# Altium PCB OldBoard.PcbDoc (part 2 of 3) (continued)
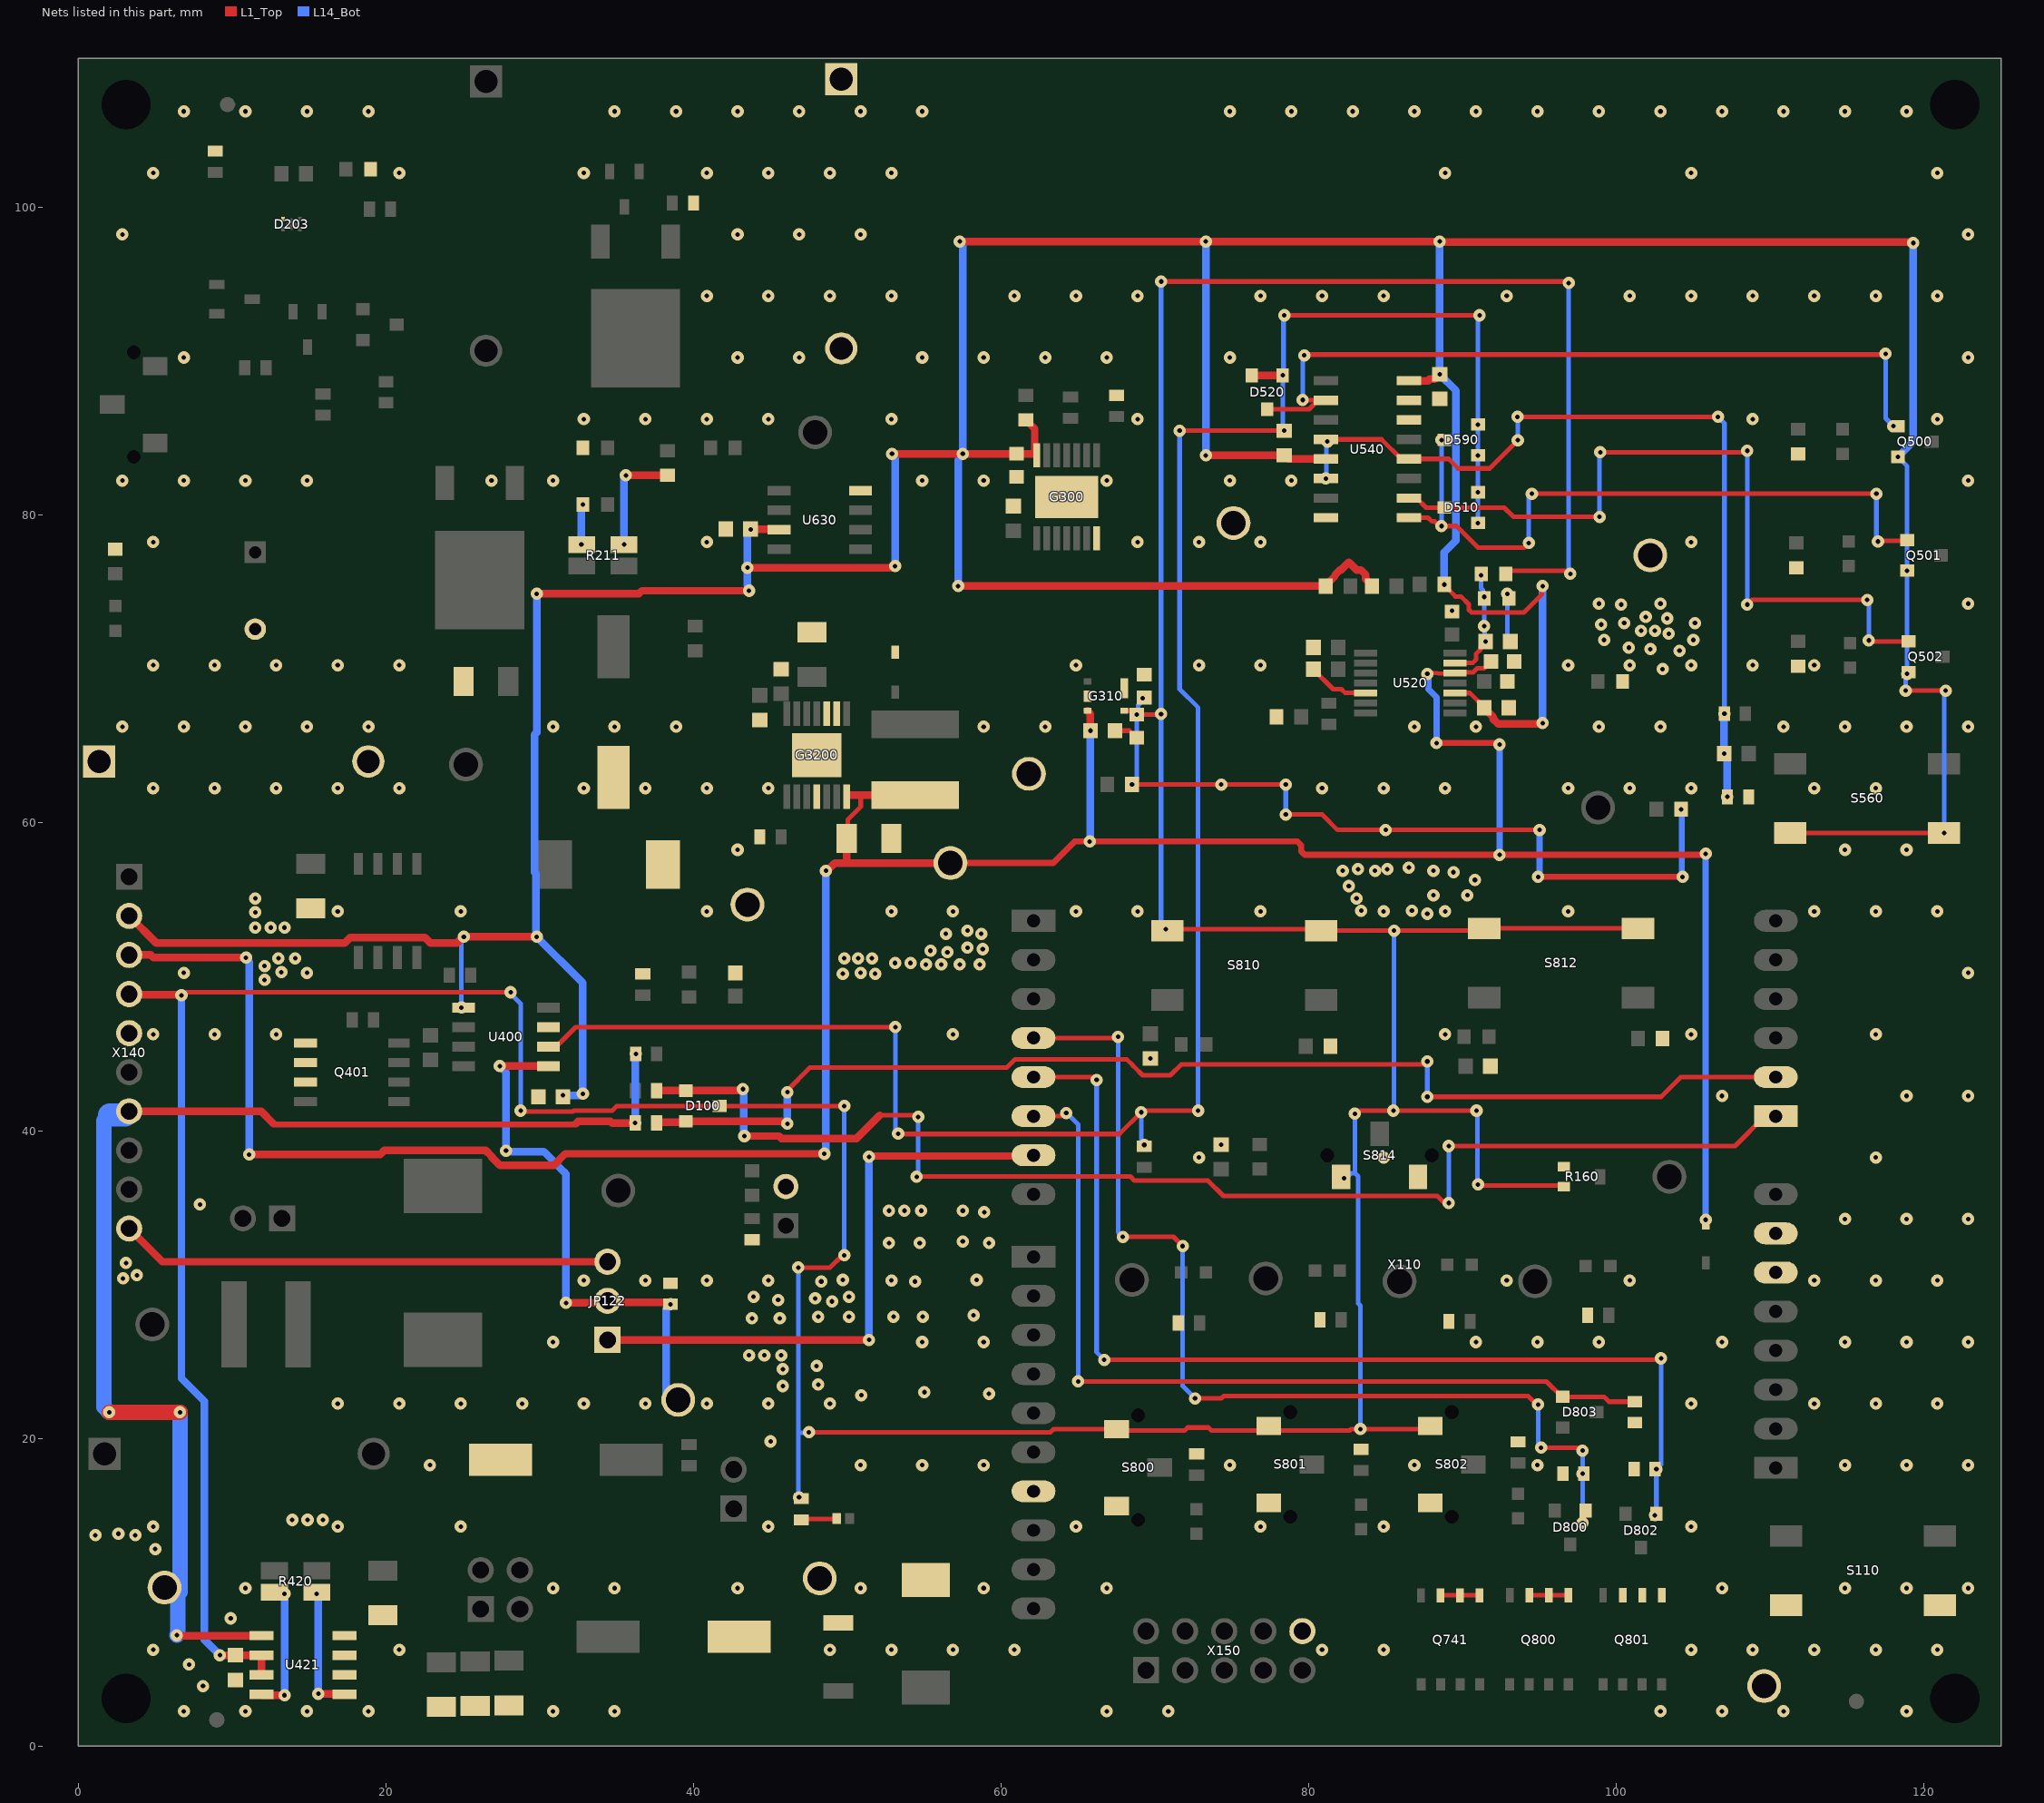
[diagram p2: the nets of this part, all layers, seen from the top]
## Part data (continued)
U520: library part 409035, "Quad Differential Comparator", Legacy PartNumber=IC02600564, Manufacturer="Texas Instruments", Supplier Part Number 1=2436009, Temperature max=0, Temperature Range=Military, Voltage DC (max)=na, Alternate View=Yes, Article Number=409035, Automotive Qualified=No, Combined Parameters=Res.:-;Fmax:-, ComponentLink1Description="Vendor WebSite", ComponentLink1URL=http://www.ti.com, ComponentLink2Description=Datasheet, ComponentLink2URL=http://webnetprod.muc.infineon.com/PCBPortal_Prod/WorkFlows/AltiumComponent/StandardDocumentation?Versionid=409036, ComponentStatus=Released, Legacy DeviceID=TI_LM339, Manufacturer Order Number=LM339PWR, PackageReference="TSSOP-14 (PW)", Part Type="Analog Parts", PLMStatus=Active, QuickPick="TSSOP-14 (PW)", Second Source allowed=Yes, Supplier 1=Farnell, Supplier 2=DigiKey, Supplier 3=Mouser, Supplier Part Number 2=296-6607-2-ND, Supplier Part Number 3=595-LM339PWR, Symbol Type="Quad Differential Comparator", Temperature min=0, Version Number=V01
U540: library part 648079, "Quad R/S latch with 3-state outputs", Manufacturer=Nexperia, Package Description="SOIC,1.27mm pitch;16 pin,3.90mm W X 9.90mm L X 1.75mm H body", Temperature max=85, Temperature min=-40, Temperature Range=Industrial, Voltage DC (max)=na, Alternate View=No, Article Number=648079, Automotive Qualified=No, Combined Parameters="- Digital;Vdc min/max:3V/15V;Iout:2.4mA;Fmax:-", ComponentLink1Description="Vendor WebSite", ComponentLink1URL=http://www.nexperia.com, ComponentLink2Description=Datasheet, ComponentLink2URL=http://webnetprod.muc.infineon.com/PCBPortal_Prod/WorkFlows/AltiumComponent/StandardDocumentation?Versionid=648080, ComponentStatus=Released, Legacy DeviceID=NEX_HEF4043BT,653, Manufacturer Order Number=HEF4043BT,653, Multiple Parts=No, PackageReference=SO-16, Part Type="Integrated Circuit", PLMStatus=Active, QuickPick=SO-16, RoHS Compliant=Y, Second Source allowed=Yes, Supplier 1=Farnell, Supplier 2=DigiKey, Supplier 3=Mouser, Supplier Part Number 2=1727-1799-1-ND, Supplier Part Number 3=771-HEF4043BT653, Symbol Type="Quad R/S latch with 3-state outputs", Type=Digital, Version Number=V00
U630: library part 699374, Manufacturer="Texas Instruments", Package Description="SOIC,1.27mm pitch;8 pin,3.895mm W X 4.905mm L X 1.75mm H body", Supplier Part Number 1=3117357, Temperature max=125, Temperature min=-40, Temperature Range=Automotive, Voltage DC (max)=na, Alternate View=Yes, Application="Power Electronics", Article Number=699374, Automotive Qualified=No, Combined Parameters=Res.:-;Fmax:10MHz, ComponentLink1Description="Vendor WebSite", ComponentLink1URL=http://www.ti.com, ComponentLink2Description=Datasheet, ComponentLink2URL=http://webnetprod.muc.infineon.com/PCBPortal_Prod/WorkFlows/AltiumComponent/StandardDocumentation?Versionid=699375, ComponentStatus=Released, Legacy DeviceID=TI_OPA197IDR, Manufacturer Order Number=OPA197IDR, Multiple Parts=Yes, PackageReference=SOIC, Part Type="Analog Parts", PLMStatus=Active, QuickPick="Amplifier / SOIC", RoHS Compliant=Y, Second Source allowed=Yes, Supplier 1=Farnell, Supplier 2=DigiKey, Supplier 3=Mouser, Supplier Part Number 2=296-43866-1-ND, Supplier Part Number 3=595-OPA197IDR, Symbol Type="High-Precision, Low-Noise, Rail-to-Rail Output, JFET Op Amp", Type=Amplifier, Version Number=V00
Vin_unf X102: library part 377341, "Banana Socket, Red, 17.5mm Pitch", Legacy PartNumber=CON01500041, Manufacturer="Hirschmann Test & Measurement", Manufacturer Component Status=Active, Package Description="Banana Jack, 2 pins, 17.5mm Pitch, 21mm L X 7.5mm W X 10.5mm H body", Supplier Part Number 1=497332, Temperature max=85, Temperature min=-25, Temperature Range=Military, Voltage DC (max)=na, Article Number=377341, Combined Parameters="Board-to-Cable Socket (female);2x1;Mounting:THT;Orient:90° (right angle);Shielded:No", ComponentLink1Description="Vendor WebSite", ComponentLink1URL=http://www.sks-kontakt.de/, ComponentLink2Description=Datasheet, ComponentLink2URL=http://webnetprod.muc.infineon.com/PCBPortal_Prod/WorkFlows/AltiumComponent/StandardDocumentation?Versionid=377342, ComponentStatus=Released, Legacy DeviceID="HTM_973 582- 101", Manufacturer Order Number="973 582-101", Part Type=Connector, PLMStatus=Active, QuickPick="90° (right angle) / Board-to-Cable", RoHS Compliant=N, Second Source allowed=Yes, Style=Banana, Supplier 1=Farnell, Supplier 2=DigiKey, Supplier 3=Mouser, Supplier Part Number 3=845-973582101, Symbol Type="Banana Socket 2 Pins", Type=Board-to-Cable, Version Number=V01
X101 X103: library part 377401, "Banana Socket, black, 17.5mm Pitch", Legacy PartNumber=CON01500045, Manufacturer="Hirschmann Test & Measurement", Manufacturer Component Status=Active, Package Description="Banana Jack, 2 pins, 17.5mm Pitch, 21mm L X 7.5mm W X 10.5mm H body", Supplier Part Number 1=497344, Temperature max=85, Temperature min=-25, Temperature Range=Military, Voltage DC (max)=na, Article Number=377401, Automotive Qualified=No, Combined Parameters="Board-to-Cable Socket (female);-x-;Mounting:THT;Orient:90° (right angle);Shielded:No", ComponentLink1Description="Vendor WebSite", ComponentLink1URL=http://www.sks-kontakt.de/, ComponentLink2Description=Datasheet, ComponentLink2URL=http://webnetprod.muc.infineon.com/PCBPortal_Prod/WorkFlows/AltiumComponent/StandardDocumentation?Versionid=377402, ComponentStatus=Released, Legacy DeviceID="HTM_973 582- 100", Manufacturer Order Number="973 582-100", Part Type=Connector, PLMStatus=Active, QuickPick="90° (right angle) / Board-to-Cable", RoHS Compliant=N, Second Source allowed=Yes, Style=Banana, Supplier 1=Farnell, Supplier 2=DigiKey, Supplier 3=Mouser, Supplier Part Number 3=845-973582100, Symbol Type="Banana Socket 2 Pins", Type=Board-to-Cable, Version Number=V01
X105: library part 433601, Legacy PartNumber=CON01500959, Manufacturer="Infineon Technologies", Package Description="Solder Bridge 2 Pins, 0.7X1.299mm Pad, 1.6mm L X 1.2mm W body", Temperature max=0, Temperature Range=Military, Voltage DC (max)=na, Alternate View=Yes, Article Number=433601, Automotive Qualified=No, Combined Parameters="- None (onboard);2x1;Mounting:SMT;Orient:None (onboard);Shielded:No", ComponentLink1Description="Vendor WebSite", ComponentLink1URL=https://www.infineon.com/, ComponentLink2Description=Datasheet, ComponentStatus=Released, Legacy DeviceID="IFX_Solder Jumper 2 Pins", Manufacturer Order Number="Solder Jumper 2 Pins", Multiple Parts=No, Part Type=Connector, PLMStatus=Active, QuickPick="None (onboard)", RoHS Compliant=N, Second Source allowed=Yes, Style="Not Applicable", Supplier 1=Farnell, Supplier 2=DigiKey, Supplier 3=Mouser, Symbol Type="Solder Jumper 2 Pins", Temperature min=0, Version Number=V01
X110: library part 644888, "Arduino Uno is a microcontroller board based on the ATmega328P", Manufacturer="Infineon Technologies", Package Description="Arduino-Uno, THT, 32 Pin, 68.58 mm L X 53.34 mm W X 8.64 mm H body", Temperature max=85, Temperature min=-40, Temperature Range=Industrial, Voltage DC (max)=na, Alternate View=Yes, Article Number=644888, Automotive Qualified=No, Combined Parameters="Board-to-Board Socket (female);-x-;Mounting:THT;Orient:0° (vertical);Shielded:-", ComponentLink1Description="Vendor WebSite", ComponentLink1URL=https://www.infineon.com/, ComponentLink2Description=Datasheet, ComponentStatus=Released, Legacy DeviceID=Infineon_Arduino-Uno, Manufacturer Order Number=Arduino-Uno, Multiple Parts=Yes, PackageReference=THT, Part Type=Connector, PLMStatus=Active, QuickPick="0° (vertical) / Board-to-Board", RoHS Compliant=N, Second Source allowed=Yes, Supplier 1=Farnell, Supplier 2=DigiKey, Supplier 3=Mouser, Symbol Type="Arduino Uno is a microcontroller board based on the ATmega328P", Type=Board-to-Board, Version Number=V01
X140: library part 382944, "Through hole .025 SQ Post Header, 2.54mm pitch, 10 pin, vertical, single row", Legacy PartNumber=CON01500578, Manufacturer=Samtec, Package Description="Header,vertical,2.54mm pitch;0.64mm lead width,10 pins,1 row,10 pins per row,25.40mm L X 2.54mm W X 8.636mm H body", Supplier Part Number 1=2035612, Temperature max=125, Temperature min=-55, Temperature Range=Military, Voltage DC (max)=na, Article Number=382944, Automotive Qualified=No, Combined Parameters="Board-to-Board Header (male);10x1;Mounting:THT;Orient:0° (vertical);Shielded:No", ComponentLink1Description="Vendor WebSite", ComponentLink1URL=http://www.samtec.com/, ComponentLink2Description=Datasheet, ComponentLink2URL=http://webnetprod.muc.infineon.com/PCBPortal_Prod/WorkFlows/AltiumComponent/StandardDocumentation?Versionid=382945, ComponentStatus=Released, Legacy DeviceID=SAM_TSW-110-07-L-S, Manufacturer Order Number=TSW-110-07-L-S, Part Type=Connector, PLMStatus=Active, QuickPick="0° (vertical) / Board-to-Board", RoHS Compliant=Y, Second Source allowed=Yes, Style=Strip, Supplier 1=Farnell, Supplier 2=DigiKey, Supplier 3=Mouser, Supplier Part Number 2=SAM1031-10-ND, Symbol Type="Header 10 pins", Type=Board-to-Board, Version Number=V01
X150: library part 638630, "WR-BHD Male Box Header, 2.54mm pitch, 10 pin, Vertical, Double row", Manufacturer="Wurth Elektronik", Package Description="Connector, THT, 2.54mm Pitch; 10 Pins, 9.10 mm L X 20.36 mm W X 9.25 mm H body", Supplier Part Number 1=1642019, Temperature max=105, Temperature min=-40, Temperature Range=Industrial, Voltage DC (max)=na, Article Number=638630, Automotive Qualified=No, Combined Parameters="Board-to-Board/Cable Header (male);5x2;Mounting:THT;Orient:0° (vertical);Shielded:No", ComponentLink1Description="Vendor WebSite", ComponentLink1URL=http://www.we-online.com, ComponentLink2Description=Datasheet, ComponentLink2URL=http://webnetprod.muc.infineon.com/PCBPortal_Prod/WorkFlows/AltiumComponent/StandardDocumentation?Versionid=638631, ComponentStatus=Released, Legacy DeviceID=WE_61201021621, Manufacturer Order Number=61201021621, PackageReference=THT, Part Type=Connector, PLMStatus=Active, QuickPick="0° (vertical) / Board-to-Board/Cable", RoHS Compliant=Y, Second Source allowed=Yes, Style=Strip, Supplier 1=Farnell, Supplier 2=DigiKey, Supplier 3=Mouser, Supplier Part Number 2=732-2094-ND, Supplier Part Number 3=710-61201021621, Type=Board-to-Board/Cable, Version Number=V01
X400: library part 614137, "Through Hole .025'' SQ Post Socket, 2.54mm pitch, 2 Pins", Manufacturer=Samtec, Package Description="Header, THT, 2.54mm pitch, 2 pin, 5.59mm L X 2.41mm W X 8.64mm H body", Supplier Part Number 1=200-SSW10201GS, Temperature max=125, Temperature min=-55, Temperature Range=Military, Voltage DC (max)=na, Application="Standard Interface", Article Number=614137, Automotive Qualified=No, Combined Parameters="Board-to-Board/Cable Socket (female);2x1;Mounting:THT;Orient:0° (vertical);Shielded:Yes", ComponentLink1Description="Vendor WebSite", ComponentLink1URL=http://www.samtec.com/, ComponentLink2Description=Datasheet, ComponentLink2URL=http://webnetprod.muc.infineon.com/PCBPortal_Prod/WorkFlows/AltiumComponent/StandardDocumentation?Versionid=614138, ComponentStatus=Released, Legacy DeviceID=SAM_SSW-102-01-G-S, Manufacturer Order Number=SSW-102-01-G-S, PackageReference=THT, Part Type=Connector, PLMStatus=Active, QuickPick="0° (vertical) / Board-to-Board/Cable", RoHS Compliant=Y, Second Source allowed=Yes, Style=Strip, Supplier 1=Farnell, Supplier 2=DigiKey, Supplier 3=Mouser, Supplier Part Number 2=SAM1209-02-ND, Supplier Part Number 3=1668331, Type=Board-to-Board/Cable, Version Number=V01

## Via types
v1: diameter 0.8, hole 0.3, L1_Top to L14_Bot, tented both sides, 819 vias

## Nets (pads, with @x,y where several pads share a name; then routed paths per layer and width w, separated by ;. In a path a pad name is that pad's centre, name@x,y a point inside that pad or via, vN(x,y) a via of type N, cw(c..) or ccw(c..) an arc to the next point about the centre after c; other vN are vias at no path point)
3V3: C311.2 C312.2 C401.2 D100.3 G310.4 R160.3 R170.2 R500.2 R504.2 R532.2 S800.1 S801.1 S802.1 S810.3 S810.4 S812.3 S812.4 S814.1 U421.6 U421.7 X140.4 | length 400.7
  L1_Top w0.3: v1(6.7,48.8) 6.835,48.8 7.035,49 v1(28.1,49) ; v1(28.75,41.3) 28.8,41.25 32.161,41.25 32.211,41.3 34.7,41.3 35,41.6 D100.3@41.7,41.6 v1(49.8,41.6) ; v1(46.8,31.1) 48.865,31.1 49.665,31.9 v1(49.8,31.9) ; v1(47.5,20.4) 63.213,20.4 63.413,20.6 S800.1@67.5,20.6 67.6,20.5 71.919,20.5 72.119,20.7 73.481,20.7 73.681,20.5 82.65,20.5 82.75,20.6 v1(83.351,20.6) S802.1@87.9,20.6 ; G310.4@68,67.3 68.55,67.3 v1(68.8,67.05) 70.35,67.05 v1(70.387,67.087) ; v1(68.5,62.5) v1(74.3,62.5) v1(78.5,62.5) ; v1(69.2,68.1) 69.25,68.1 C312.2@69.3,68.15 ; v1(70.4,95.2) 96.8,95.2 v1(96.9,95.1) ; v1(70.7,53.1) 80.7,53.1 S810.3@80.8,53 v1(85.539,53) 91.25,53 S812.4@91.4,53.15 S812.3@101.4,53.15 ; v1(78.5,60.55) 80.868,60.55 81.868,59.55 v1(85,59.55) v1(95,59.55) ; S814.1@82.1,37 82.2,37 v1(82.3,36.9) ; v1(82.992,41.1) 82.992,41.124 83.168,41.3 v1(85.5,41.3) v1(90.9,41.3) ; v1(91,36.5) 91.07,36.43 96.517,36.43 R160.3@96.588,36.359 ; R504.2@92.8,76.2 93,76.4 96.665,76.4 96.865,76.2 v1(97,76.2)
  L1_Top w0.4: v1(94.9,56.5) v1(104.3,56.5)
  L1_Top w0.5: X140.4@3.3,48.88 3.34,48.84 6.66,48.84 v1(6.7,48.8) ; v1(9.2,5.9) C401.2@10.2,5.9 U421.6@11.9,5.9 U421.7@11.9,4.63
  L14_Bot w0.3: v1(28.1,49) 28.1,48.907 28.75,48.257 v1(28.75,41.3) ; v1(46.8,31.1) 46.8,20.358 ; v1(46.856,16.165) 46.8,16.221 46.8,20.358 ; v1(47.5,20.4) 47.458,20.358 46.8,20.358 ; v1(49.8,31.9) v1(49.8,41.6) ; v1(68.5,62.5) 68.8,62.8 v1(68.8,67.05) 68.896,67.146 68.896,67.66 69.2,67.965 v1(69.2,68.1) ; v1(70.4,95.2) 70.387,95.187 v1(70.387,67.087) 70.387,53.413 v1(70.7,53.1) ; v1(78.5,60.55) v1(78.5,62.5) ; v1(82.3,36.9) 82.435,36.9 82.778,37.243 82.992,37.243 ; v1(82.992,41.1) 82.992,37.243 ; v1(83.351,20.6) 83.351,28.627 83.2,28.778 83.2,36.9 83.2,37.035 82.992,37.243 ; v1(85.5,41.3) 85.539,41.339 v1(85.539,53) ; v1(90.9,41.3) 90.95,41.25 90.95,36.55 v1(91,36.5) ; v1(96.9,95.1) 96.9,76.3 v1(97,76.2)
  L14_Bot w0.4: v1(94.9,56.5) 95,56.6 v1(95,59.55) v1@94.9,59.45 ; v1(104.2,60.889) 104.25,60.839 104.25,56.55 v1(104.3,56.5)
  L14_Bot w0.5: v1(6.7,48.8) 6.7,23.9 8.2,22.4 8.2,6.9 v1(9.2,5.9)
5V: C310.2 C324.2 C522.2 D112.2 G310.3 G3200.7 L320.2 TP320.1 U520.5 X140.3 | length 197.1
  L1_Top w0.3: C324.2@49.95,59 50.024,59.074 50.024,60.224 50.866,61.066 50.866,61.8 ; v1@87.75,69.75 U520.5@89,69.7 ; U520.5@89.5,69.75 89.539,69.789 90.685,69.789 90.946,70.05 91.4,70.05 C522.2@91.85,70.5
  L1_Top w0.4: TP320.1@56.7,57.4 63.378,57.4 64.778,58.8 v1(65.756,58.8) 79.266,58.8 79.5,58.566 79.5,58.164 79.734,57.93 v1(92.4,57.93) 105.73,57.93 v1(105.8,58) ; v1(88.3,65.2) 92.3,65.2 v1(92.4,65.1)
  L1_Top w0.5: X140.3@3.3,51.42 4.709,51.42 4.879,51.25 v1(10.9,51.25) ; v1(11.1,38.45) 19.619,38.45 19.894,38.725 26.478,38.725 26.85,38.353 26.85,38.306 27.406,37.75 30.906,37.75 31.656,38.5 v1(48.5,38.5) ; v1(48.6,56.895) 48.681,56.895 49.186,57.4 49.935,57.4 ; C324.2@49.95,59 49.95,57.415 49.935,57.4 ; G3200.7@50.095,61.8 50.866,61.8 L320.2@54.4,61.8 ; TP320.1@56.7,57.4 49.935,57.4 ; G310.3@65.6,67.3 65.8,67.1 v1(65.8,66)
  L14_Bot w0.4: v1(87.7,69.7) 87.773,69.627 87.773,68.7 88.3,68.173 v1(88.3,65.2) ; v1(92.4,57.93) v1@92.4,64.892 ; v1(105.8,34.207) v1(105.8,58)
  L14_Bot w0.5: v1(10.9,51.25) 10.9,51.169 11.1,50.969 v1(11.1,38.45) ; v1(48.5,38.5) 48.557,38.557 48.557,38.77 48.6,38.812 v1(48.6,56.895) ; v1(65.756,58.8) 65.778,58.822 65.778,65.978 v1(65.8,66)
12V: C301.2 C400.2 C520.1 C540.2 C630.2 G300.14 Q500.2 Q501.2 Q502.2 R301.1 R501.2 R503.2 R509.2 R527.2 S560.3 S560.4 U400.5 U520.3 U540.5 U540.16 U630.7 X140.2 | length 351.6
  L1_Top w0.3: v1(24.905,48.005) U400.5@25.035,48.005 ; v1(88.8,75.5) 88.8,75.45 89.524,74.726 89.886,74.726 90.4,74.211 90.4,73.864 90.589,73.675 93.975,73.675 95.149,74.849 95.149,75.349 v1(95.2,75.4) ; U520.3@89.5,68.45 90.45,68.45 90.475,68.425 90.5,68.425 C520.1@91.4,67.525 ; S560.3@111.3,59.35 v1(121.3,59.35) ; v1(118.8,68.6) v1(121.4,68.6)
  L1_Top w0.5: X140.2@3.3,53.96 5.06,52.2 17.312,52.2 17.667,52.555 22.533,52.555 22.888,52.2 24.615,52.2 25.015,52.6 v1(29.8,52.6) ; v1(29.8,74.9) 36.437,74.9 36.637,75.1 v1(43.6,75.1) ; v1(43.5,76.6) 53,76.6 v1(53.1,76.7) ; v1(43.718,79.082) 45.532,79.082 U630.7@45.55,79.065 ; v1(52.9,84) v1(57.5,84) C301.2@61,84 62.175,84 62.175,85.625 61.825,85.975 61.825,86.025 61.65,86.2 R301.1@61.6,86.2 ; v1(57.2,75.4) R527.2@81.1,75.4 81.1,75.45 81.7,76.05 81.7,76.128 82.022,76.45 82.1,76.45 82.6,76.95 83.1,76.45 83.378,76.45 83.7,76.128 83.7,75.85 84.1,75.45 R501.2@84.1,75.4 ; v1(57.3,97.8) v1(73.3,97.8) v1(88.5,97.8) 88.546,97.754 119.254,97.754 v1(119.3,97.708) ; v1(73.3,83.9) R503.2@78.4,83.9 ; R503.2@78.685,83.665 U540.5@81.1,83.665 ; U540.16@86.5,88.745 87.75,88.745 87.855,88.85 88.175,88.85 v1(88.5,89.175) ; C520.1@91.4,67.525 C520.1@91.4,67.5 91.4,67.475 91.975,66.9 91.975,66.772 92.297,66.45 95.15,66.45 v1(95.2,66.5)
  L14_Bot w0.3: v1(24.905,48.005) 24.905,52.447 v1(25.058,52.6) ; v1(118.3,83.8) 118.3,83.798 118.9,83.198 v1(118.9,76.4) v1(118.9,69.7) 118.8,69.6 v1(118.8,68.6) ; v1(121.3,59.35) v1@121.3,68.5
  L14_Bot w0.5: v1(29.8,74.9) 29.8,65.888 29.65,65.738 29.65,56.806 29.75,56.706 29.75,52.65 v1(29.8,52.6) 32.8,49.6 v1(32.8,42.4) 32.719,42.4 32.619,42.3 v1(31.5,42.3) ; v1(43.6,75.1) 43.543,75.157 43.543,75.407 43.5,75.45 v1(43.5,76.6) 43.5,78.865 v1(43.718,79.082) ; v1(52.9,84) 53.1,83.8 v1(53.1,76.7) ; v1(57.2,75.4) 57.2,83.619 57.5,83.919 v1(57.5,84) 57.5,97.6 v1(57.3,97.8) ; v1(73.3,83.9) v1(73.3,97.8) ; v1(88.5,97.8) v1(88.5,89.175) 89.57,88.105 89.57,78.37 88.8,77.6 v1(88.8,75.5) ; v1(95.2,66.5) v1(95.2,75.4) ; v1(118.3,83.8) 119.3,84.8 v1(119.3,97.708)
\Cntrl1: D800.1 R100.1 X110.4D | length 66.9
  L1_Top w0.3: X110.4D@62.1,46.024 67.524,46.024 v1(67.6,46.1) ; v1(67.9,33.1) 71.2,33.1 v1(71.8,32.5) ; v1(72.6,22.6) 74.319,22.6 74.469,22.75 94.248,22.75 94.798,22.2 v1(94.9,22.2) ; v1(95.1,19.4) 97.6,19.4 v1(97.8,19.2) ; v1(97.8,14.5) 97.896,14.596 97.896,15.196 D800.1@98,15.3
  L14_Bot w0.3: v1(67.6,46.1) 67.6,33.4 v1(67.9,33.1) ; v1(71.8,32.5) 71.8,23.4 v1(72.6,22.6) ; v1(94.9,22.2) 94.9,19.6 v1(95.1,19.4) ; v1(97.8,14.5) v1(97.8,17.7) v1(97.8,19.2)
\Cntrl2: D802.1 R101.1 X110.5D | length 69.2
  L1_Top w0.3: X110.5D@62.1,43.484 66.016,43.484 v1(66.2,43.3) ; v1(66.7,25.1) 102.8,25.1 v1(102.9,25.2)
  L14_Bot w0.3: v1(66.2,43.3) 66.2,25.6 v1(66.7,25.1) ; v1(102.5,15) 102.595,15.095 v1(102.595,18) 102.9,18.305 v1(102.9,25.2)
\Cntrl3: D803.1 R102.1 X110.6D | length 56.7
  L1_Top w0.3: X110.6D@62.1,40.944 63.886,40.944 64.092,41.15 v1(64.227,41.15) ; v1(65,23.7) 95.45,23.7 96.45,22.7 D803.1@96.5,22.7 99.186,22.7 99.506,22.38 R102.1@101.2,22.38
  L14_Bot w0.3: v1(64.227,41.15) 64.247,41.15 65,40.397 v1(65,23.7)
\Flag_Overcurr: D520.3 Q500.1 U540.2 | length 50.7
  L1_Top w0.3: D520.3@77.3,86.9 80.025,86.9 U540.2@80.6,87.475 ; v1(79.6,87.5) 79.625,87.475 U540.2@80.6,87.475 ; v1(79.7,90.4) 79.75,90.45 117.45,90.45 v1(117.5,90.5) ; U540.2@81.1,87.475 U540.2@80.6,87.475
  L14_Bot w0.3: v1(79.6,87.5) 79.6,90.3 v1(79.7,90.4) ; v1(117.5,90.5) 117.5,86.3 v1(118,85.8)
\Flag_Overtemp_Ext: D510.3 Q502.1 U540.10 | length 50
  L1_Top w0.3: U540.10@86.5,81.125 87,81.125 87.625,80.5 D510.3@88.8,80.5 92.698,80.5 93.298,79.9 v1(98.9,79.9) ; v1(98.944,84.104) 108.404,84.104 v1(108.5,84.2) ; v1(108.5,74.2) 108.8,74.5 v1(116.3,74.5) ; v1(116.4,71.872) 116.4,71.8 Q502.1@119,71.8
  L14_Bot w0.3: v1(98.9,79.9) 98.9,84.06 v1(98.944,84.104) ; v1(108.5,74.2) v1(108.5,84.2) ; v1(116.3,74.5) 116.4,74.4 v1(116.4,71.872)
\Flag_Undervolt: D590.3 Q501.1 U540.9 | length 45.2
  L1_Top w0.3: U540.9@86.5,79.855 87.745,79.855 88,79.6 88.194,79.6 88.494,79.3 v1(88.62,79.3) ; v1(88.62,84.9) D590.3@88.8,84.9 ; v1@88.708,79.3 89.6,79.3 91,77.9 94,77.9 v1(94.3,78.2) ; v1(94.5,81.4) v1(116.9,81.4) ; v1(117,78.3) 117.05,78.35 118.85,78.35 Q501.1@118.9,78.4
  L14_Bot w0.3: v1(88.62,79.3) v1(88.62,84.9) ; v1(94.3,78.2) 94.3,81.2 v1(94.5,81.4) ; v1(116.9,81.4) 116.9,78.4 v1(117,78.3)
\Shutdown: D510.1 D510.2 D520.1 D520.2 D590.1 D590.2 R112.1 R503.1 U400.2 | length 139.6
  L1_Top w0.3: U400.2@31,45.4 32.335,46.735 v1(53.111,46.735) v1@53.265,46.735 ; v1(53.3,39.8) 53.317,39.783 67.683,39.783 v1(69.1,41.2) 69.2,41.3 v1(72.8,41.3) ; v1(71.6,85.5) v1(78.4,85.5) ; v1(78.4,93) v1(91.1,93) ; v1(91,81.5) D510.2@91.104,81.396
  L1_Top w0.5: D520.2@76.3,89.1 v1(78.3,89.1)
  L14_Bot w0.3: v1(53.111,46.735) 53.111,39.989 v1(53.3,39.8) ; v1(69.1,41.2) 69.1,39.275 v1(69.3,39.075) ; v1(71.6,85.5) 71.6,68.7 72.8,67.5 v1(72.8,41.3) ; v1(78.4,85.5) 78.3,85.6 v1(78.3,89.1) 78.35,89.15 78.35,92.95 v1(78.4,93) ; v1(91,79.5) v1(91,81.5) v1(91,83.9) v1(91,85.9) 91,92.9 v1(91.1,93)
AREF: R170.1 X105.2 | length 2.3
  L1_Top w0.3: R170.1@47,14.7 47.05,14.75 49.25,14.75 X105.2@49.3,14.8
Buck_Cntrl: JP122.2 R122.1 TP400.1 U400.1 | length 35.7
  L1_Top w0.5: v1(27.4,44.2) 27.403,44.198 30.563,44.198 U400.1@30.565,44.195 ; v1(31.7,28.8) 34.26,28.8 JP122.2@34.4,28.94 34.51,28.83 38.39,28.83 v1(38.5,28.72) ; TP400.1@38.2,22.6 38.9,22.6 TP400.1@39,22.5
  L14_Bot w0.5: v1(27.4,44.2) 27.8,43.8 v1(27.8,38.7) 27.857,38.643 30.257,38.643 31.602,37.298 ; v1(31.7,28.8) 31.7,37.2 ; TP400.1@38.2,22.6 38.2,28.42 v1(38.5,28.72)
Buck_Cntrl_Arduino: JP122.1 X110.7D | length 39.6
  L1_Top w0.5: JP122.1@34.4,26.4 44.3,26.4 v1(51.4,26.4) ; v1(51.4,38.3) 51.452,38.352 62.048,38.352 X110.7D@62.1,38.404
  L14_Bot w0.5: v1(51.4,26.4) v1(51.4,38.3)
Buck_Cntrl_Ext: JP122.3 X140.10 | length 32
  L1_Top w0.5: X140.10@3.3,33.64 5.46,31.48 JP122.3@34.4,31.48
Curr_In+: R211.4 R631.1 | length 2.7
  L1_Top w0.5: v1(32.7,78.1) R211.4@32.725,78.1
  L14_Bot w0.5: v1(32.7,78.1) 32.7,80.6 v1(32.8,80.7)
Curr_In-: R211.3 R633.1 | length 7.3
  L1_Top w0.5: R211.3@35.475,78.1 v1(35.479,78.104) ; v1(35.6,82.6) R633.1@38.3,82.6
  L14_Bot w0.5: v1(35.479,78.104) 35.479,82.479 v1(35.6,82.6)
Curr_Thresh: C505.2 R504.1 R505.2 U520.6 | length 7.5
  L1_Top w0.3: U520.6@89.5,70.4 90.65,70.4 90.862,70.612 90.862,70.987 91.175,71.3 91.175,71.475 v1(91.5,71.8) ; v1(91.2,76.1) R504.1@91.2,76.2
  L14_Bot w0.3: v1(91.2,76.1) 91.2,75.25 91.304,75.146 91.304,74.796 v1(91.4,74.7) v1(91.4,72.8) 91.428,72.772 91.428,71.778 91.45,71.8 v1(91.5,71.8)
Fault_Reset: C500.2 R507.1 R508.1 U540.4 U540.6 U540.12 | length 56.2
  L1_Top w0.3: U540.4@81.1,84.935 84.73,84.935 86,83.665 U540.12@86.5,83.665 89.086,83.665 89.701,83.05 91.75,83.05 v1(93.584,84.884) ; v1(93.565,86.4) v1(106.6,86.4)
  L1_Top w0.5: U540.4@81.1,84.935 81.2,84.835 v1(81.2,84.8) ; v1(107.198,61.7) R508.1@107.21,61.7
  L14_Bot w0.3: v1(81.1,82.395) 81.15,82.445 81.15,84.75 v1(81.2,84.8) ; v1(93.565,86.4) 93.584,86.381 v1(93.584,84.884) ; v1(106.6,86.4) 107.02,85.98 v1(107.02,67.1)
  L14_Bot w0.5: v1(107.02,67.1) 107,67.08 v1(107,64.5) 107.198,64.302 v1(107.198,61.7)
GND: C210.2 C212.2 C213.1 C220.2 C221.1 C300.1 C301.1 C310.1 C311.1 C312.1 C320.1 C321.1 C324.1 C400.1 C401.1 C404.1 C505.1 C506.1 C520.2 C521.1 C522.1 C530.1 C533.1 C540.1 C630.1 C700.1 C701.2 C710.1 C711.1 C712.1 C715.2 C811.1 C813.1 C814.1 D203.1 D211.2 D320.2 D730.2 D731.2 G300.7 G300.15 G310.2 G310.5 G3200.4 G3200.9 G3200.10 G3200.15 Q401.1 Q401.2 Q401.3 Q741.1 Q741.2 Q741.3 Q800.1 Q800.2 Q800.3 Q801.1 Q801.2 Q801.3 R100.2 R101.2 R102.2 R122.2 R160.1 R200.1 R209.1 R210.2 R212.2 R221.2 R303.1 R320.2 R502.1 R505.1 R508.2 R511.1 R551.2 R552.1 R553.1 R632.2 R722.2 R800.2 R801.2 R802.2 R803.2 R804.2 R805.2 R806.2 R810.2 R812.2 S110.1 S110.2 S800.3 S801.3 S802.3 S814.3 TP100.1 TP101.1 TP102.1 TP103.1 TP104.1 TP105.1 U400.3 U421.2 U421.3 U421.4 U520.12 U540.8 U540.14 U540.15 U630.4 X101.1 X101.2 X103.1 X103.2 X110.6A X110.7A X110.7C X140.5 X150.10 X400.2 | length 13.9
  L1_Top w0.3: C310.1@67.4,66 68.325,66 68.775,65.55 C311.1@68.8,65.55 ; C530.1@80.3,70 80.3,69.975 81.575,68.7 82.112,68.7 82.337,68.475 83.675,68.475 U520.12@83.7,68.45 ; Q741.3@88.565,9.794 Q741.2@89.835,9.794 Q741.1@91.105,9.794 ; R505.1@92.9,74.6 R505.1@93,74.6 ; Q800.3@94.33,10.013 Q800.3@94.33,9.8 Q800.2@95.6,9.8 Q800.1@96.87,9.8
  L14_Bot w0.3: v1@92.9,74.6 92.9,72 93.1,71.8
  other v1: 6.86,2.26 10.86,2.26 14.86,2.26 18.86,2.26 30.86,2.26 34.86,2.26 66.86,2.26 70.86,2.26 102.86,2.26 106.86,2.26 110.86,2.26 118.86,2.26 8.1,3.9 7.2,5.3 4.86,6.26 20.86,6.26 48.86,6.26 52.86,6.26 56.86,6.26 60.86,6.26 80.86,6.26 84.86,6.26 104.86,6.26 108.86,6.26 112.86,6.26 116.86,6.26 120.86,6.26 9.9,8.3 10.86,10.26 30.86,10.26 34.86,10.26 42.86,10.26 50.86,10.26 58.86,10.26 66.86,10.26 106.86,10.26 114.86,10.26 118.86,10.26 122.86,10.26 5,12.8 1.1,13.7 3.7,13.7 2.6,13.8 4.86,14.26 16.86,14.26 24.86,14.26 44.86,14.26 64.86,14.26 76.86,14.26 84.86,14.26 104.86,14.26 13.9,14.7 14.9,14.7 15.9,14.7 22.86,18.26 50.86,18.26 54.86,18.26 58.86,18.26 74.86,18.26 86.86,18.26 94.86,18.26 114.86,18.26 118.86,18.26 122.86,18.26 45,19.8 16.86,22.26 20.86,22.26 24.86,22.26 28.86,22.26 32.86,22.26 36.86,22.26 40.86,22.26 44.86,22.26 48.86,22.26 104.86,22.26 112.86,22.26 116.86,22.26 120.86,22.26 50.9,22.8 59.2,22.9 55,23 45.8,23.4 48.1,23.5 45.8,24.5 48,24.7 43.6,25.4 44.6,25.4 45.7,25.4 30.86,26.26 54.86,26.26 58.86,26.26 90.86,26.26 94.86,26.26 98.86,26.26 106.86,26.26 114.86,26.26 118.86,26.26 122.86,26.26 43.8,27.8 45.6,27.8 48.1,27.9 50.1,27.9 53,27.9 54.9,27.9 58.2,28 49,28.9 45.5,29 47.9,29.1 43.9,29.2 50.1,29.2 48.3,30.2 54.4,30.2 32.86,30.26 36.86,30.26 40.86,30.26 44.86,30.26 52.86,30.26 92.86,30.26 100.86,30.26 112.86,30.26 116.86,30.26 120.86,30.26 49.7,30.3 58.4,30.3 2.9,30.4 3.8,30.6 3.1,31.4 52.7,32.7 54.7,32.7 59.2,32.7 57.5,32.8 114.86,34.26 118.86,34.26 122.86,34.26 58.9,34.7 52.7,34.8 53.7,34.8 54.8,34.8 57.5,34.8 7.9,35.2 72.86,38.26 84.86,38.26 116.86,38.26 74.3,39.1 106.86,42.26 118.86,42.26 122.86,42.26 69.7,44.7 4.86,46.26 8.86,46.26 12.86,46.26 56.86,46.26 88.86,46.26 104.86,46.26 116.86,46.26 12.1,49.8 49.7,50.2 51.8,50.2 6.86,50.26 14.86,50.26 50.86,50.26 122.86,50.26 13.2,50.3 12.1,50.7 55.1,50.8 56.1,50.8 57.3,50.8 58.6,50.8 53.1,50.9 54.1,50.9 13,51.2 14.1,51.2 49.8,51.2 50.7,51.2 51.6,51.2 56.5,51.6 55.4,51.7 58.8,51.8 57.8,51.9 56.4,52.8 58.7,52.8 57.8,53 11.5,53.2 12.5,53.2 13.4,53.2 87.7,54.1 11.5,54.2 16.86,54.26 24.86,54.26 40.86,54.26 52.86,54.26 56.86,54.26 64.86,54.26 68.86,54.26 76.86,54.26 84.86,54.26 88.86,54.26 96.86,54.26 112.86,54.26 116.86,54.26 120.86,54.26 83.4,54.3 86.7,54.3 11.5,55.1 83.1,55.1 88.1,55.3 90.3,55.3 82.6,55.9 90.8,56.3 89.4,56.8 82.2,56.9 84.3,56.9 88.1,56.9 83.2,57 85.1,57 86.5,57.1 42.86,58.26 114.86,58.26 118.86,58.26 4.86,62.26 8.86,62.26 12.86,62.26 16.86,62.26 20.86,62.26 32.86,62.26 36.86,62.26 40.86,62.26 44.86,62.26 80.86,62.26 84.86,62.26 88.86,62.26 96.86,62.26 100.86,62.26 104.86,62.26 112.86,62.26 116.86,62.26 2.86,66.26 6.86,66.26 10.86,66.26 14.86,66.26 18.86,66.26 30.86,66.26 34.86,66.26 38.86,66.26 58.86,66.26 62.86,66.26 86.86,66.26 90.86,66.26 98.86,66.26 102.86,66.26 110.86,66.26 114.86,66.26 118.86,66.26 122.86,66.26 103,70 4.86,70.26 8.86,70.26 12.86,70.26 16.86,70.26 20.86,70.26 64.86,70.26 72.86,70.26 76.86,70.26 96.86,70.26 100.86,70.26 104.86,70.26 108.86,70.26 112.86,70.26 104.1,71.2 102.2,71.3 100.8,71.4 99.2,71.9 105,71.9 103.4,72.3 101.6,72.5 102.5,72.5 99,72.9 100.5,73 105.1,73 103.3,73.3 101.9,73.4 89.3,73.8 100.3,74.2 98.86,74.26 102.86,74.26 122.86,74.26 92.9,74.9 4.86,78.26 40.86,78.26 68.86,78.26 72.86,78.26 76.86,78.26 104.86,78.26 2.86,82.26 6.86,82.26 10.86,82.26 14.86,82.26 26.86,82.26 30.86,82.26 54.86,82.26 58.86,82.26 66.86,82.26 74.86,82.26 78.86,82.26 122.86,82.26 32.86,86.26 36.86,86.26 40.86,86.26 44.86,86.26 52.86,86.26 68.86,86.26 108.86,86.26 120.86,86.26 6.86,90.26 42.86,90.26 46.86,90.26 54.86,90.26 58.86,90.26 62.86,90.26 66.86,90.26 74.86,90.26 122.86,90.26 40.86,94.26 44.86,94.26 48.86,94.26 52.86,94.26 60.86,94.26 64.86,94.26 68.86,94.26 76.86,94.26 80.86,94.26 84.86,94.26 92.86,94.26 100.86,94.26 104.86,94.26 108.86,94.26 112.86,94.26 116.86,94.26 120.86,94.26 2.86,98.26 42.86,98.26 46.86,98.26 50.86,98.26 122.86,98.26 4.86,102.26 20.86,102.26 32.86,102.26 40.86,102.26 44.86,102.26 48.86,102.26 52.86,102.26 88.86,102.26 104.86,102.26 120.86,102.26 6.86,106.26 10.86,106.26 14.86,106.26 18.86,106.26 34.86,106.26 38.86,106.26 42.86,106.26 46.86,106.26 50.86,106.26 54.86,106.26 74.86,106.26 78.86,106.26 82.86,106.26 86.86,106.26 90.86,106.26 94.86,106.26 98.86,106.26 102.86,106.26 106.86,106.26 110.86,106.26 114.86,106.26 118.86,106.26
In_Curr_ADC: D100.1 R110.1 X110.1B | length 85.8
  L1_Top w0.3: 52.1,41 54.5,41 v1(54.6,40.9) ; v1(54.5,37) 54.525,37.025 68.394,37.025 68.669,36.75 73.439,36.75 74.439,35.75 88.35,35.75 88.8,35.3 v1(89.1,35.3) ; v1(89.1,39) 107.705,39 109.649,40.944 X110.1B@110.36,40.944
  L1_Top w0.5: R110.1@37.59,42.6 D100.1@39.5,42.6 43.1,42.6 v1(43.2,42.7) ; v1(43.3,39.65) 45.556,39.65 45.706,39.5 50.6,39.5 52.1,41
  L14_Bot w0.3: v1(54.5,37) 54.6,37.1 v1(54.6,40.9) ; v1(89.1,35.3) v1(89.1,39)
  L14_Bot w0.5: v1(43.2,42.7) 43.25,42.65 43.25,39.7 v1(43.3,39.65)
Ind_Curr+: R420.3 U421.8 | length 8.8
  L1_Top w0.5: U421.8@11.9,3.36 11.95,3.31 12.525,3.31 12.535,3.3 v1(13.4,3.3) ; R420.3@12.75,10 12.85,9.9 v1(13.4,9.9)
  L14_Bot w0.5: v1(13.4,3.3) v1(13.4,9.9)
Ind_Curr-: R420.4 U421.1 | length 8.4
  L1_Top w0.5: v1(15.5,9.9) R420.4@15.5,10 ; v1(15.6,3.4) 15.62,3.38 17.28,3.38 U421.1@17.3,3.36
  L14_Bot w0.5: v1(15.5,9.9) 15.6,9.8 v1(15.6,3.4)
Inductor_Current: R111.2 R506.1 TP600.1 U421.5 X140.7 | length 83.6
  L1_Top w0.4: 12.688,40.455 12.742,40.4 32.301,40.4 32.356,40.455
  L1_Top w0.5: X140.7@3.3,41.26 11.882,41.26 12.688,40.455 ; v1(6.4,7.2) 6.43,7.17 U421.5@11.9,7.17 ; 32.356,40.455 32.501,40.6 34.594,40.6 34.694,40.5 R111.2@36.21,40.5
  L1_Top w1: v1(2,21.7) v1(6.6,21.7)
  L14_Bot w0.5: 1.8,40.807 2.023,41.03 ; X140.7@3.07,41.03 X140.7@3.3,41.26 ; v1(36.2,40.5) 36.2,44.96 v1(36.24,45)
  L14_Bot w1: 1.8,40.807 1.65,40.657 1.65,22.05 v1(2,21.7) ; v1(6.4,7.2) 6.457,7.257 6.457,9.857 6.6,10 v1(6.6,21.7)
  L14_Bot w1.5: 2.023,41.03 X140.7@3.07,41.03
Inductor_Current_ADC: D100.2 R111.1 X110.2B | length 79.5
  L1_Top w0.3: v1(46.1,42.5) 46.1,42.635 47.565,44.1 60.363,44.1 60.908,44.645 68.155,44.645 68.584,44.216 68.584,44.204 69.189,43.6 70.998,43.6 71.698,44.3 87.5,44.3 v1(87.7,44.5) ; v1(87.7,42.2) 102.9,42.2 104.184,43.484 X110.2B@110.36,43.484
  L1_Top w0.5: R111.1@37.59,40.5 37.64,40.55 39.45,40.55 D100.2@39.5,40.6 45.719,40.6 45.811,40.507 46.043,40.507 v1(46.1,40.45)
  L14_Bot w0.3: v1(87.7,42.2) v1(87.7,44.5)
  L14_Bot w0.5: v1(46.1,40.45) v1(46.1,42.5)